# Altium PCB PCB3.PcbDoc (part 2 of 8)
Units mil, origin at the board's own origin, x right, y up, seen from the top; angles counter-clockwise.
Board outline 4763.78 x 6574.87 mil, 6 copper layers (Top Layer, GND, ADDR, DATA, VCC, Bottom Layer), stack 77.691 mil thick; 402 components, 418 nets, 1809 pads, 1202 vias.
Unrouted connection lines stored in the file: 117.
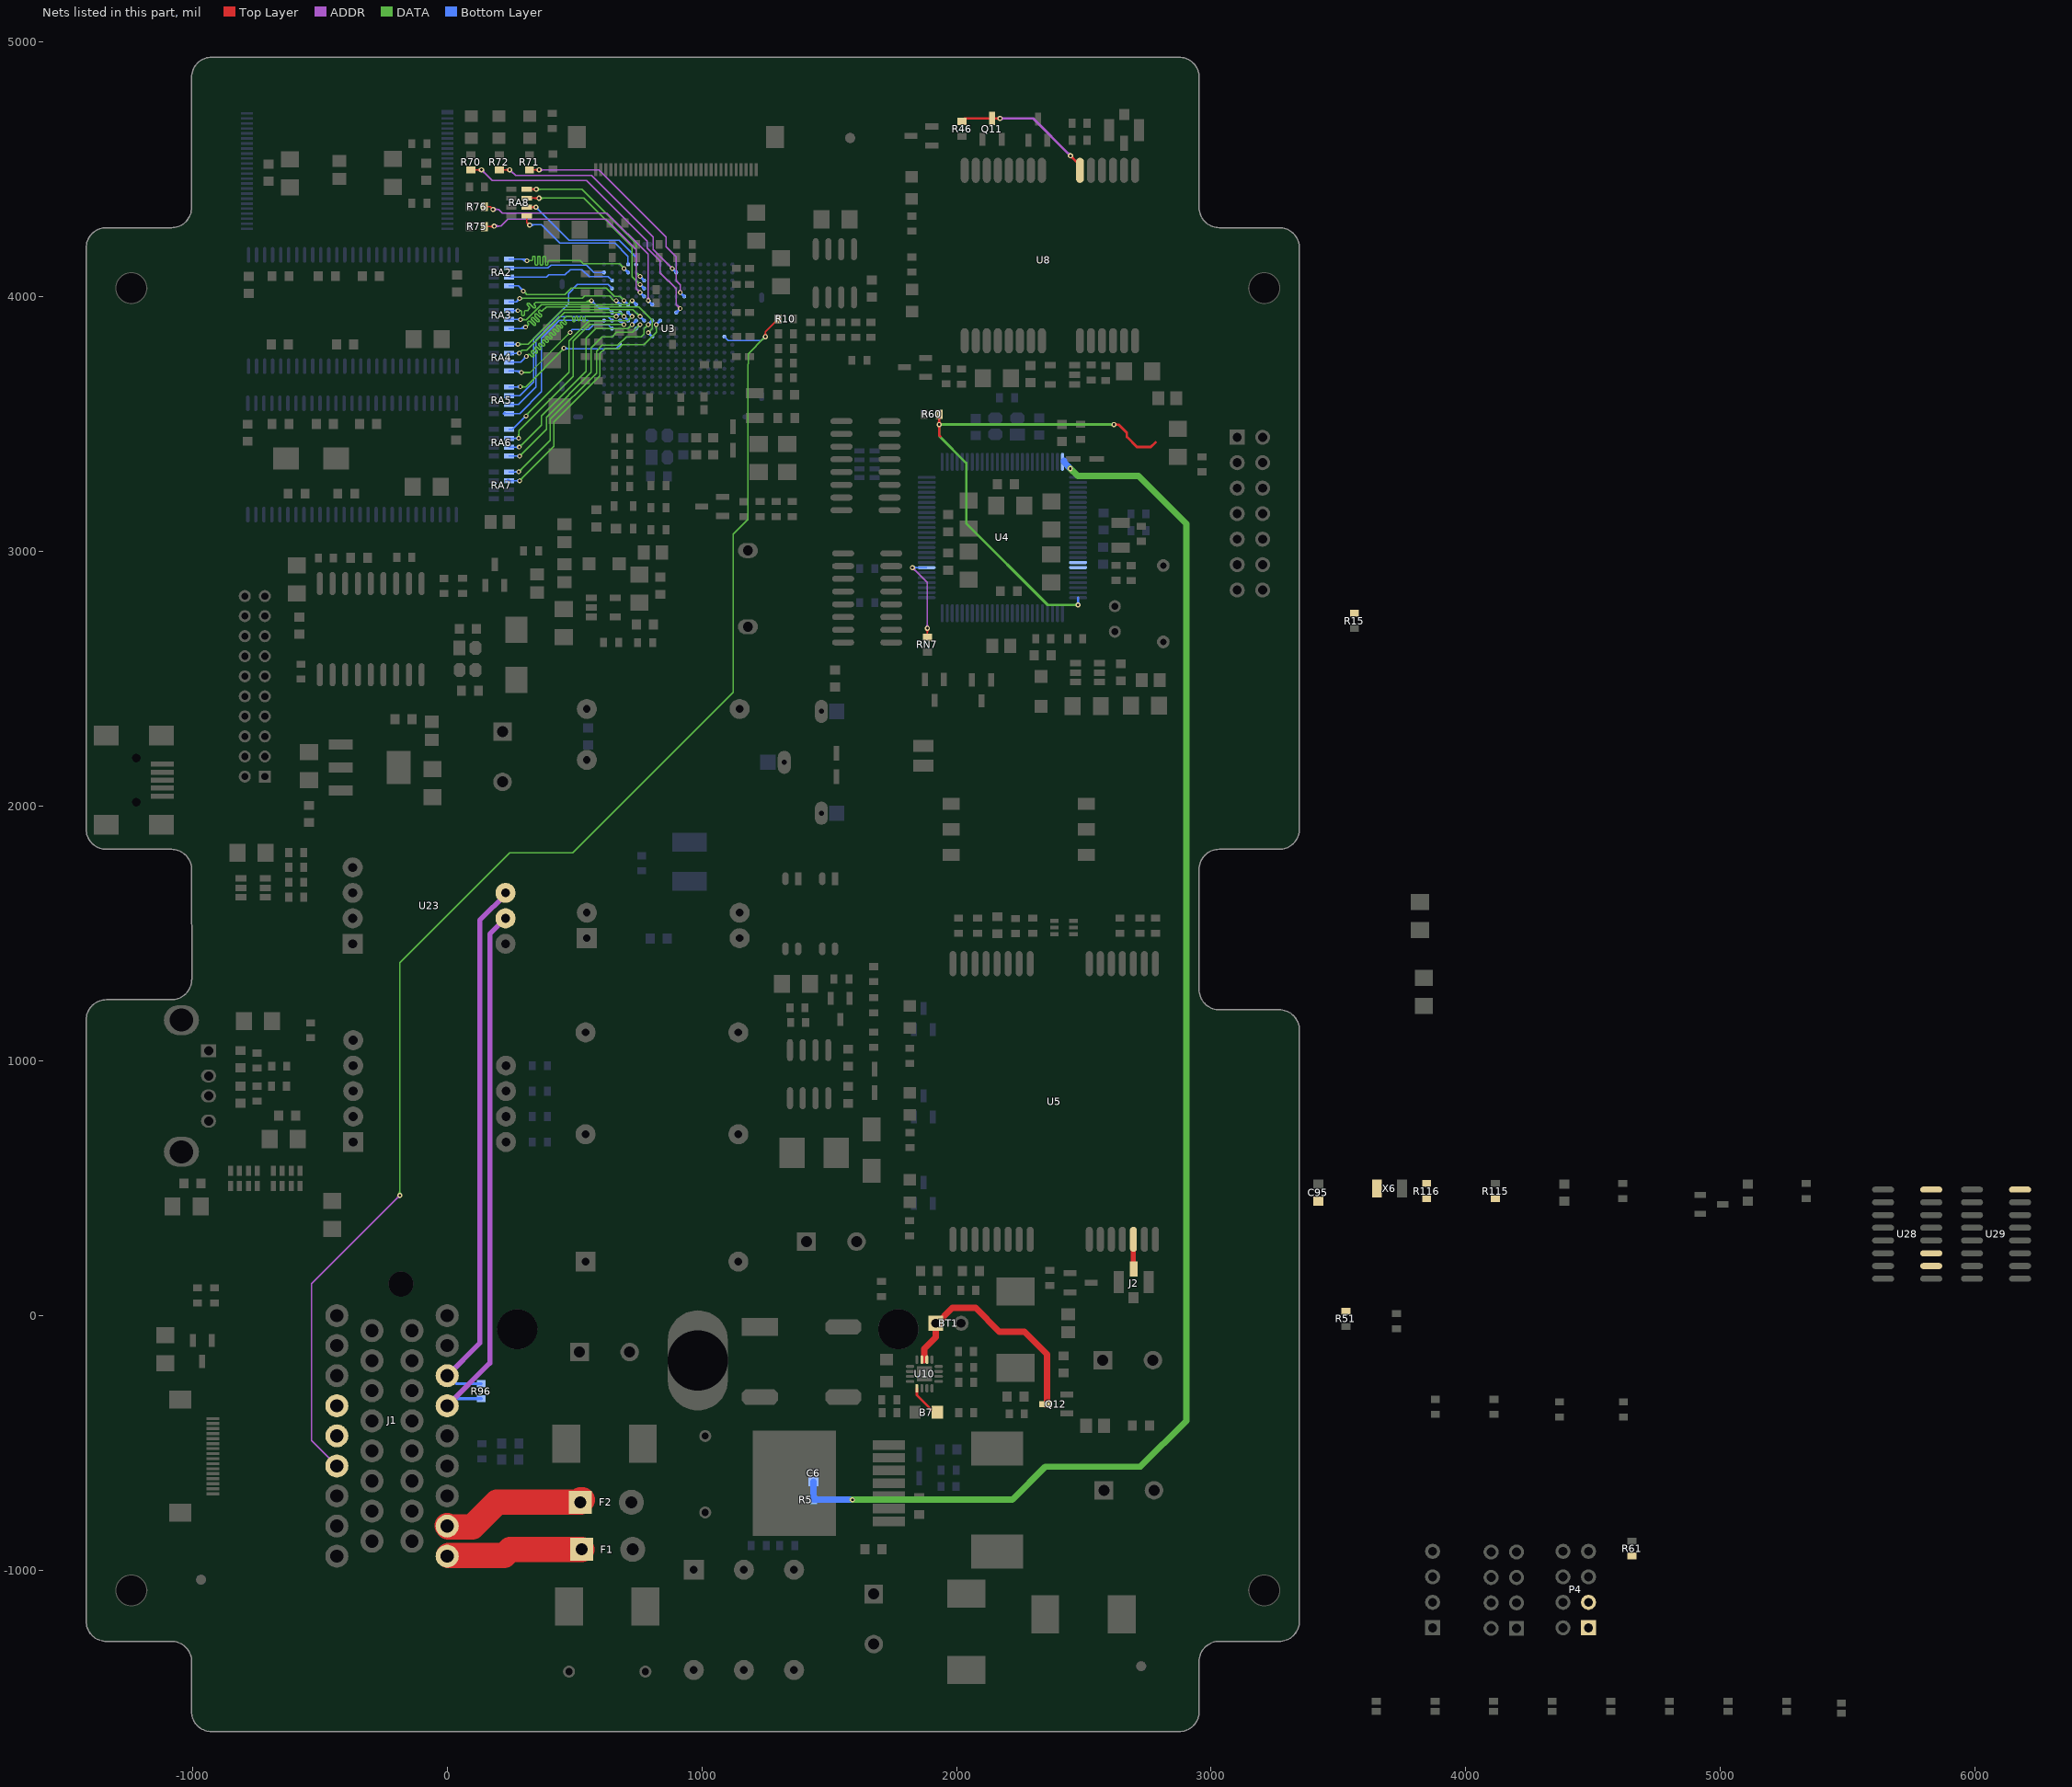
[diagram p6: the nets of this part, all layers, seen from the top]

## Footprints (in the part's own frame and the unit in brackets; to place one, negate y for a bottom-side part, rotate by r counter-clockwise, add the part's x,y. Pads: shape width x height; smd on the part's side, far side on the other; paste and mask are expansions set on the pad) (continued)
INDP5050X28N [mm]
  rect 2.5x3 smd: 1(-2.2,0) 2(2.2,0)
  silkscreen extent -2.6,-2.6 2.6,2.6, body extent -1.56,-1.53 1.51,1.54, height 2
INDP125125X85N [mm]
  rect 3.4x5.2 smd: 1(-5.15,0) 2(5.15,0)
  silkscreen extent -6.25,-6.25 6.25,6.25, body extent -6.11,-6.13 6.19,6.17, height 5.5
JST [mm]
  oct 1.524x3.6 smd: 1(3.5,-4.161) 2(-3.5,-4.161) 2(-3.5,4.161)
  rect 1.8x3.6 smd: 1(3.5,4.161)
  silkscreen extent -4.77,-6.43 5,6.89, body extent -4.84,-6.41 4.99,6.95, height 1.27
M72D [mm]
  oval 2.5x0.7 smd: 1(-13.75,10.1) 2(-13.75,9) 3(-13.75,7.9) 4(-13.75,6.8) 5(-13.75,5.7) 6(-13.75,4.6) 7(-13.75,3.5) 8(-13.75,-2.4) 9(-13.75,-3.5) 10(-13.75,-4.6) 11(-13.75,-5.7) 12(-13.75,-6.8) 13(-13.75,-7.9) 14(-13.75,-9) 15(-13.75,-10.1) 16(13.75,-10.1) 17(13.75,-9) 18(13.75,-7.9) 19(13.75,-6.8) 20(13.75,-5.7) 21(13.75,-4.6) 22(13.75,-3.5) 23(13.75,-2.4) 24(13.75,3.5) 25(13.75,4.6) 26(13.75,5.7) 27(13.75,6.8) 28(13.75,7.9) 29(13.75,9) 30(13.75,10.1)
  silkscreen extent -13.75,-12.15 13.75,12.15
MARK [mm]
  round 1 smd far side paste+0 mask+1: 1(0,0)
  round 1 smd paste+0 mask+1: 1(0,0)
  Keep-Out Layer circle w0.3: c0,0 r1.5
MHF[MCB3]-V4 [mm] "Connector; RF Coaxial, MCB SM; 4 Position; Vertical, Body 3.1x3.0mm (LxW)"
  rect 0.8x1.5 smd: 1(0,-1.3)
  rect 1x2.2 smd: 2(-1.5,0) 4(1.5,0)
  rect 1x1.1 smd: 3(0,1.55)
  silkscreen extent -1.03,-1.92 -0.78,-1.68, body extent -1.3,-1.3 1.3,1.3, height 1.3
MUP-C745 [mm]
  rect 1.2x1.7 smd: 1(0,0) 2(2.54,0) 3(5.08,0) 5(0,-13.5) 6(2.54,-13.5) 7(5.08,-13.5)
  oval 1.2x1.7 on Top Overlay: 3(-3.429,1.397)
  rect 1.2x2 smd: 4(8.88,2.75) 8(10.88,2.75)
  silkscreen extent -4.5,-22.75 12.32,3.3
R-AR4 [mil]
  rect 19.68x40 smd: 1(-52.5,-30) 2(-17.5,-30) 3(17.5,-30) 4(52.5,-30) 5(52.5,30) 6(17.5,30) 7(-17.5,30) 8(-52.5,30)
  silkscreen extent -73,-60 71,60, body extent -63,-33 63,30, height 22
RAD-0.3 [mm] "Radial Cap, Thru-Hole; 2 Leads; 0.3 in Pin Spacing"
  round 1.2 hole 0.7: 1(-3.81,0) 2(3.81,0)
  silkscreen extent -5.71,-1.91 5.71,1.91
SOD323 [mm] "SOD-323/SC-76; 2 Leads; Body 1.7 x 1.3 mm, (LxW)"
  rect 1.45x0.55 smd: 1(-1.175,0) 2(1.175,0)
  silkscreen extent -0.95,-0.75 0.95,0.75
SOIC8_N [mm] "SOIC, 8-Leads, Body 4.9x3.9mm, Pitch 1.27mm, IPC Medium Density"
  oval 2.2x0.6 smd: 1(-2.4,1.905) 2(-2.4,0.635) 3(-2.4,-0.635) 4(-2.4,-1.905) 5(2.4,-1.905) 6(2.4,-0.635) 7(2.4,0.635) 8(2.4,1.905)
  silkscreen extent -2.52,-2.5 0.9,2.88, body extent -3,-2.45 3,2.45, height 1.7
SOIC16_N [mm] "SOIC, 16-Leads, Body 9.9x3.9mm, Pitch 1.27mm, IPC Medium Density"
  oval 2.2x0.6 smd: 1(-2.4,4.445) 2(-2.4,3.175) 3(-2.4,1.905) 4(-2.4,0.635) 5(-2.4,-0.635) 6(-2.4,-1.905) 7(-2.4,-3.175) 8(-2.4,-4.445) 9(2.4,-4.445) 10(2.4,-3.175) 11(2.4,-1.905) 12(2.4,-0.635) 13(2.4,0.635) 14(2.4,1.905) 15(2.4,3.175) 16(2.4,4.445)
  silkscreen extent -2.52,-5 0.9,5.42, body extent -2,-5 2,5, height 1.75
SOIC18W_N [mm] "SOIC, 18-Leads, Body 12x7.62mm, Pitch 1.27mm, IPC Medium Density"
  oval 2.3x0.6 smd: 1(-4.55,5.08) 2(-4.55,3.81) 3(-4.55,2.54) 4(-4.55,1.27) 5(-4.55,0) 6(-4.55,-1.27) 7(-4.55,-2.54) 8(-4.55,-3.81) 9(-4.55,-5.08) 10(4.55,-5.08) 11(4.55,-3.81) 12(4.55,-2.54) 13(4.55,-1.27) 14(4.55,0) 15(4.55,1.27) 16(4.55,2.54) 17(4.55,3.81) 18(4.55,5.08)
  silkscreen extent -4.67,-5.9 3,6.05, body extent -3.8,-5.95 3.8,5.95, height 2.65
SOT23-5BN [mm] "SOT23, 5-Leads, Body 2.9x1.6mm, Pitch 0.95mm, Lead Span 2.8mm, IPC Medium Density"
  rect 1.1x0.65 smd: 1(-1.2,0.95) 2(-1.2,0) 3(-1.2,-0.95) 4(1.2,-0.95) 5(1.2,0.95)
  silkscreen extent -1.33,-1.55 0.25,1.95, body extent -0.9,-1.55 0.9,1.55, height 1.19
SOT23_N [mm] "SOT23, 3-Leads, Body 2.9x1.3mm, Pitch 0.95mm, Lead Span 2.3mm, IPC Medium Density"
  rect 1.3x0.6 smd: 1(-1.05,0.95) 2(-1.05,-0.95) 3(1.05,0)
  silkscreen extent -1.17,-1.5 0.7,1.92, body extent -0.7,-1.5 0.7,1.5, height 1.1
SOT26A-6N [mm] "SOT23, 6-Leads, Body 2.9x1.7mm, Pitch 0.95mm, Lead Span 2.8mm, IPC Medium Density"
  rect 1.1x0.65 smd: 1(-1.2,0.95) 2(-1.2,0) 3(-1.2,-0.95) 4(1.2,-0.95) 5(1.2,0) 6(1.2,0.95)
  silkscreen extent -1.32,-1.55 0.25,1.95, body extent -0.9,-1.55 0.9,1.55, height 1.45
SOT143_N [mm]
  rect 1x1.05 smd: 1(-1.125,0.75)
  rect 1x0.65 smd: 2(-1.125,-0.95) 3(1.125,-0.95) 4(1.125,0.95)
  silkscreen extent -1.47,-1.5 0.4,1.95, body extent -0.7,-1.52 0.7,1.52, height 1.2
SOT223-4N [mm] "SOT223, 4-Leads, Body 6.5x3.5mm, Pitch 2.3mm, Lead Span 7mm, IPC Medium Density"
  rect 2.4x1 smd: 1(-2.9,2.3) 2(-2.9,0) 3(-2.9,-2.3)
  rect 2.4x3.3 smd: 4(2.9,0)
  silkscreen extent -3.02,-3.35 1.4,3.47, body extent -1.85,-3.35 1.85,3.35, height 1.8
SOT363-6N [mm] "SOT363, 6-Leads, Body 2x1.3mm, Pitch 0.65mm, Lead Span 2.1mm, IPC Medium Density"
  rect 0.85x0.4 smd: 1(-0.95,0.65) 2(-0.95,0) 3(-0.95,-0.65) 4(0.95,-0.65) 5(0.95,0) 6(0.95,0.65)
  silkscreen extent -1.07,-1.1 0.15,1.52, body extent -0.7,-1.1 0.7,1.1, height 1
SOT-23_N [mm] "SOT23, 3-Leads, Body 2.9x1.3mm, Pitch 0.95mm, Lead Span 2.5mm, IPC Medium Density"
  rect 1.15x0.6 smd: 1(-1.125,0.95) 2(-1.125,-0.95) 3(1.125,0)
  silkscreen extent -1.25,-1.5 0.7,1.92, body extent -0.7,-1.5 0.7,1.5, height 1.1
SPEAKER [mm]
  oval 1.5x2 hole 1: 1(-3.8,0) 2(3.8,0)
  silkscreen extent -6,-6 6,6, body extent -5.97,-5.97 6.03,6.03, height 9.3
SSOP4_N [mm]
  rect 1.27x0.635 smd: 1(-3.5,0.635)
  oval 1.27x0.635 smd: 2(-3.5,-0.635) 3(3.5,-0.635) 4(3.5,0.635)
  silkscreen extent -2.08,-1.22 2.16,1.38, body extent -3.5,-1.29 3.5,1.41, height 1
SW-420 [mil]
  round 50 hole 25: 1(-150,0) 2(150,0)
  silkscreen extent -197,-79 197,79
TQFP100_N [mm] "100-Pin Plastic Thin Quad Flat Pack (TQFP100), IPC Medium Density"
  oval 1.8x0.3 smd: 1(-7.55,6) 2(-7.55,5.5) 3(-7.55,5) 4(-7.55,4.5) 5(-7.55,4) 6(-7.55,3.5) 7(-7.55,3) 8(-7.55,2.5) 9(-7.55,2) 10(-7.55,1.5) 11(-7.55,1) 12(-7.55,0.5) 13(-7.55,0) 14(-7.55,-0.5) 15(-7.55,-1) 16(-7.55,-1.5) 17(-7.55,-2) 18(-7.55,-2.5) 19(-7.55,-3) 20(-7.55,-3.5) 21(-7.55,-4) 22(-7.55,-4.5) 23(-7.55,-5) 24(-7.55,-5.5) 25(-7.55,-6) 51(7.55,-6) 52(7.55,-5.5) 53(7.55,-5) 54(7.55,-4.5) 55(7.55,-4) 56(7.55,-3.5) 57(7.55,-3) 58(7.55,-2.5) 59(7.55,-2) 60(7.55,-1.5) 61(7.55,-1) 62(7.55,-0.5) 63(7.55,0) 64(7.55,0.5) 65(7.55,1) 66(7.55,1.5) 67(7.55,2) 68(7.55,2.5) 69(7.55,3) 70(7.55,3.5) 71(7.55,4) 72(7.55,4.5) 73(7.55,5) 74(7.55,5.5) 75(7.55,6)
  oval 0.3x1.8 smd: 26(-6,-7.55) 27(-5.5,-7.55) 28(-5,-7.55) 29(-4.5,-7.55) 30(-4,-7.55) 31(-3.5,-7.55) 32(-3,-7.55) 33(-2.5,-7.55) 34(-2,-7.55) 35(-1.5,-7.55) 36(-1,-7.55) 37(-0.5,-7.55) 38(0,-7.55) 39(0.5,-7.55) 40(1,-7.55) 41(1.5,-7.55) 42(2,-7.55) 43(2.5,-7.55) 44(3,-7.55) 45(3.5,-7.55) 46(4,-7.55) 47(4.5,-7.55) 48(5,-7.55) 49(5.5,-7.55) 50(6,-7.55) 76(6,7.55) 77(5.5,7.55) 78(5,7.55) 79(4.5,7.55) 80(4,7.55) 81(3.5,7.55) 82(3,7.55) 83(2.5,7.55) 84(2,7.55) 85(1.5,7.55) 86(1,7.55) 87(0.5,7.55) 88(0,7.55) 89(-0.5,7.55) 90(-1,7.55) 91(-1.5,7.55) 92(-2,7.55) 93(-2.5,7.55) 94(-3,7.55) 95(-3.5,7.55) 96(-4,7.55) 97(-4.5,7.55) 98(-5,7.55) 99(-5.5,7.55) 100(-6,7.55)
  silkscreen extent -7.68,-6.25 6.25,6.82, body extent -7,-7 7,7, height 1.2
TS7B_N [mm] "D2-PAK, 8-Leads, Body 8.6x10.2mm, Pitch 1.27mm, Lead Span 14.1mm, IPC Medium Density"
  rect 3.2x0.95 smd: 1(-6,3.81) 2(-6,2.54) 3(-6,1.27) 4(-6,0) 5(-6,-1.27) 6(-6,-2.54) 7(-6,-3.81)
  rect 8.3x10.5 smd: 8(3.45,0)
  silkscreen extent -6.13,-5.2 -1.1,5.2, body extent -3.35,-5.2 6.05,5.2, height 4.64
TSOP48 [mm]
  rect 1.2x0.45 smd: 1(-10,5.85)
  rect 1.2x0.25 smd: 2(-10,5.25) 3(-10,4.75) 4(-10,4.25) 5(-10,3.75) 6(-10,3.25) 7(-10,2.75) 8(-10,2.25) 9(-10,1.75) 10(-10,1.25) 11(-10,0.75) 12(-10,0.25) 13(-10,-0.25) 14(-10,-0.75) 15(-10,-1.25) 16(-10,-1.75) 17(-10,-2.25) 18(-10,-2.75) 19(-10,-3.25) 20(-10,-3.75) 21(-10,-4.25) 22(-10,-4.75) 23(-10,-5.25) 24(-10,-5.75) 25(10,-5.75) 26(10,-5.25) 27(10,-4.75) 28(10,-4.25) 29(10,-3.75) 30(10,-3.25) 31(10,-2.75) 32(10,-2.25) 33(10,-1.75) 34(10,-1.25) 35(10,-0.75) 36(10,-0.25) 37(10,0.25) 38(10,0.75) 39(10,1.25) 40(10,1.75) 41(10,2.25) 42(10,2.75) 43(10,3.25) 44(10,3.75) 45(10,4.25) 46(10,4.75) 47(10,5.25) 48(10,5.75)
  silkscreen extent -9.2,-6.25 9.2,6.25, body extent -10.08,-6.01 10.02,6.09, height 1.2
TSOP80P1180X120-54N [mm]
  oval 1.55x0.34 smd: 1(-5.55,10.4) 2(-5.55,9.6) 3(-5.55,8.8) 4(-5.55,8) 5(-5.55,7.2) 6(-5.55,6.4) 7(-5.55,5.6) 8(-5.55,4.8) 9(-5.55,4) 10(-5.55,3.2) 11(-5.55,2.4) 12(-5.55,1.6) 13(-5.55,0.8) 14(-5.55,0) 15(-5.55,-0.8) 16(-5.55,-1.6) 17(-5.55,-2.4) 18(-5.55,-3.2) 19(-5.55,-4) 20(-5.55,-4.8) 21(-5.55,-5.6) 22(-5.55,-6.4) 23(-5.55,-7.2) 24(-5.55,-8) 25(-5.55,-8.8) 26(-5.55,-9.6) 27(-5.55,-10.4) 28(5.55,-10.4) 29(5.55,-9.6) 30(5.55,-8.8) 31(5.55,-8) 32(5.55,-7.2) 33(5.55,-6.4) 34(5.55,-5.6) 35(5.55,-4.8) 36(5.55,-4) 37(5.55,-3.2) 38(5.55,-2.4) 39(5.55,-1.6) 40(5.55,-0.8) 41(5.55,0) 42(5.55,0.8) 43(5.55,1.6) 44(5.55,2.4) 45(5.55,3.2) 46(5.55,4) 47(5.55,4.8) 48(5.55,5.6) 49(5.55,6.4) 50(5.55,7.2) 51(5.55,8) 52(5.55,8.8) 53(5.55,9.6) 54(5.55,10.4)
  silkscreen extent -5.67,-11.1 4.37,11.24, body extent -5.86,-11.11 5.9,11.11, height 1.25
USB2.5-2H4C [mm] "Connector; USB1.1, Type A, Thru-Hole; 4 Position; Right Angle"
  oval 3x3.5 hole 2.3 mask+0.07: 0(-6.57,-2.71) 0(6.57,-2.71)
  rect 1.3x1.5 hole 0.92 mask+0.07: 1(-3.5,0)
  oval 1.3x1.5 hole 0.92 mask+0.07: 2(-1,0) 3(1,0) 4(3.5,0)
  silkscreen extent -7.5,-13 7.5,1.64, body extent -8.12,-13 8.12,1, height 7.65
USB/SM0.8-6H5 [mm] "Connector; USB2.0, Type B, SM; 5 Position; Right Angle"
  rect 2.3x0.5 smd: 1(-7.85,-1.6) 2(-7.85,-0.8) 3(-7.85,0) 4(-7.85,0.8) 5(-7.85,1.6)
  rect 2.5x2 smd: MH1(-7.75,4.45) MH2(-2.25,4.45) MH3(-7.75,-4.45) MH4(-2.25,-4.45)
  round 0.6 hole 0.9 unplated: ""(-5.25,-2.2) ""(-5.25,2.2)
  silkscreen extent -9.68,-4.95 0.7,4.95, body extent -8.9,-4.95 0.7,4.95, height 3.9

## Part data
B1 B2 B3 B4 B5 B6 B7 B8 B9 B10: library part LED2, "Typical RED, GREEN, YELLOW, AMBER GaAs LED"
B11: "插针 电池座"
BT1: "插针 Multicell Battery"
C1 C2 C3 C4 C5 C6 C7 C8 C41 C42 C43 C44 C45 C46 C47 C48 C51 C52 C53 C54 C56 C57 C58 C59 C60 C61 C62 C65 C66 C67 C68 C69 C70 C71 C72 C73 C74 C75 C76 C77 C78 C79 C80 C81 C82 C83 C84 C85 C88 C91 C93: library part CAP, "多层陶瓷电容器MLCC - SMD/SMT 0603 0.1uF 50volts X7R 10%"
C9 C10 C11 C12 C13 C14 C15 C16 C17 C18 C20 C21 C22 C23 C24 C25 C26 C32 C33 C34 C35 C36 C37 C38 C39 C40: library part CAP, "多层陶瓷电容器MLCC - SMD/SMT 0402 0.1uF 50volts X7R 10%"
C19 C27 C30 C31 C49 C50 C55 C86 C87 C94 C95: library part CAP, "多层陶瓷电容器MLCC - SMD/SMT 0603 15pF 50volts C0G 5%"
C28 C92: library part CAP, "多层陶瓷电容器MLCC - SMD/SMT 0603 2200pF 50volts X7R 10%"
C29 C63 C64 C89 C90: library part CAP, "多层陶瓷电容器MLCC - SMD/SMT 0603 50volts 680pF X7R 10%"
CM1: library part Cap, "多层陶瓷电容器MLCC - SMD/SMT 1000pF 3000volts 20%"
CP1 CP2 CP3 CP4 CP5 CP6 CP7 CP8 CP9 CP10 CP11 CP12 CP13 CP14 CP15 CP16 CP17 CP18 CP19 CP20 CP21 CP22 CP23 CP24 CP25 CP26 CP27 CP28 CP29 CP30: library part CAPACITOR, "钽质电容器-固体SMD 16volts 10uF 10%"
CT1 CT2 CT3: library part CAPACITOR, "钽质电容器-固体SMD 16V 100uF 10%"
CV1 CV4 CV6: library part ELECTRO1, "插针 铝质电解电容器 - 带引线 270UF 50V ELECT FM RADIAL"
CV2 CV3: library part ELECTRO1, "插针 铝质电解电容器 - 带引线 470UF 35V ELECT FM RADIAL"
CV5: library part ELECTRO1, "插针 铝质电解电容器 - 带引线 1200uF 10V"
D1 D3 D5 D8: library part "D Schottky", "肖特基二极管与整流器 3.0 Amp 60 Volt"
D2: library part "D Zener", "稳压二极管 DIODE ZENER 2 PCT"
D4: library part 30BQ040, "TVS 二极管 - 瞬态电压抑制器 1500W 48V Unidirect"
D6 D7 D9 D11: library part 1N4148W, "二极管 - 通用，功率，开关 100V Io/150mA"
D10: library part 10BQ060, "肖特基二极管与整流器 40 Volt 1.0 Amp 40 Amp IFSM"
F1 F2: library part "Fuse 2", "插针 可复位保险丝 60V POLYFUSE .100A RADIAL LEADS"
J1: library part 6-174683-5, "插针 汽车连接器 SUPER SEAL 34POS CAP ASY V AU"
J2 J4: library part COAX-F, "插针 RF 连接器 ONBRD IPEX MHF RECEPTACLE"
J3: library part SIMCARD, "CON"
J5: library part "HEADER 10X2", "插针 CON"
J6: library part 16PIN, "TE CONNECTIVITY / AMP - 1-1734592-6 - FFC/FPC CONNECTOR, RECEPTACLE 16POS 1ROW"
J7: library part "HEADER 33", "CON"
J8: library part CON2, "CON"
L1: library part Inductor, "固定电感器 SMT-INDUCTOR 12X12 68UH 2.35A"
L2 L3: library part Inductor, "固定电感器 10uH 430mA"
L4: library part Inductor, "固定电感器 SMD Power Inductor"
LR1 LR2 LR3 LR4 LR5 LR6 LR7 LR8 LR9 LR10 LR11 LR12: library part "Res Semi", "电磁干扰滤波珠子、扼流圈和阵列 Ferrite Chip Beads"
M1 M2 M3: library part D-001-0001, "Mounting Hole, M3 Screw, Plated, Square Pad"
P1: library part "Header 7X2", "TE CONNECTIVITY 2.54mm / AMP - 0-281272-1 - HEADER STRAIGHT 14WAY"
P2 P4: "插针 Header, 4-Pin, Dual row"
P3: "插针 Header, 4-Pin"
Q1 Q2 Q12 Q15: library part IRLML5103, "MOSFET P-CH -30V -4.3A SOT23"
Q3 Q4 Q5 Q6 Q7 Q8 Q9: library part PDTC143ET, "开关晶体管 - 偏压电阻器 TRANS RET TAPE-11"
Q10 Q11: library part MMBT3096, "两极晶体管 - BJT 200mA 40V PNP"
Q13 Q14: library part 2N7002, "MOSFET 20V 2.9A 0.86W 57mohm @ 4.5V"
Q16: "NPN General Purpose Amplifier"
R1 R4 R5 R53 R65 R86 R89 R90 R99 R103 R107 R111: library part RES, "厚膜电阻器 - SMD 1/10watt 1.0Kohms 1%"
R2 R9 R10 R11 R15 R20 R21 R22 R23 R30 R31 R32 R39 R40 R45 R48 R49 R50 R55 R70 R71 R72 R73 R74 R78 R79 R81 R82 R83 R84 R88 R93 R94 R95 R97 R98 RN2 RN3 RN4 RN5: library part RES, "厚膜电阻器 - SMD 1/10watt 10Kohms 1%"
R3 R8 R16 R18 R19 R51 R54 R116: library part RES, "厚膜电阻器 - SMD 1/10watt 1.0Mohms 1%"
R6 R7 R17 R26 R33 R34 R38 R46 R52 R57 R59 R104 R108 R113 R114 R115: library part RES, "厚膜电阻器 - SMD 1/10watt 100Kohms 1%"
R12 R13 R14 R27 R28 R29 R41 R42 R43 R60 R61 RD1 RD2 RD3 RD4 RD5 RD6 RD7 RD8 RD9 RN1 RN9 RN10: library part RES, "厚膜电阻器 - SMD 1/10watt ZEROohm Jumper"
R24 R25 R35 R36 R37 R44 R63 R64 R67 R68 R75 R76 R77 R80 R87 R91 R92 R100 R102 RN6 RN7 RN8 RN11: library part RES, "厚膜电阻器 - SMD 1/10watt 22ohms 1%"
R47: library part RES, "薄膜电阻器 - SMD 160Kohms .1% 25ppm"
R56: library part RES, "厚膜电阻器 - SMD 1/10watt 680ohms 1%"
R58: library part RES, "薄膜电阻器 - SMD 453Kohms .1% 25ppm"
R62: library part RES, "厚膜电阻器 - SMD 1/10watt 300Kohms 1%"
R66 R69: library part RES, "厚膜电阻器 - SMD 1/10watt 15Kohms 1%"
R85 R96 R101: library part RES, "厚膜电阻器 - SMD 1/10watt 120ohms 1%"
R105 R106 R109: library part RES, "厚膜电阻器 - SMD 1/10watt 2ohms 1%"
R110: library part RES, "厚膜电阻器 - SMD 1/10watt 51Kohms 1%"
R112: library part RES, "厚膜电阻器 - SMD 1/10watt 4.7Kohms 1%"
RA1 RA2 RA3 RA4 RA5 RA6 RA7 RA8: library part RP4R, "电阻器网络与阵列 8Term 22ohms 5% Convex"
RA9 RA10: library part RP4R, "电阻器网络与阵列 8Term 10Kohms 5% Convex"
RF1 RF2 RF3 RF4 RF5 RF6: library part FUSE1, "可复位保险丝 PTC 30V POLY SURF MOUNT 1812 .500A"
S1: library part "Header 2", "插针 工业级震动传感器"
S2: library part "Header 2", "插针 光敏传感器"
U1: "SIMPLE SWITCHER?High Efficiency 3A Step-Down Voltage Regulator, 7-pin TO-263, Pb-Free"
U2: library part PWF_D-6W, "插针 PWF_D-6W 4:1 3000V 78%"
U3: "IC"
U4: library part MSP430F5438, "IC MCU 16BIT 256K FLASH 100-LQFP"
U5: "GSM模块"
U6: "TVS二极管阵列 5 Line TVS Array"
U7: library part LT1761, "低压差稳压器 - LDO 150Ma Low Noise CMOS LDO"
U8: "GPS模块"
U9: library part LM3670MF-3.3/NOPB, "DC/DC 开关控制器 Mini SD DC-DC Cnvtr"
U10: library part BQ24073, "电池管理 1.5A USB-Friendly Li Ion Batt Charger"
U11: library part LTC3405A, "IC REG BUCK SYNC ADJ TSOT23-6"
U12: library part ADuM5402, "隔离器接口集成电路 Quad-CH w/ Intg DC/DC Converter"
U13: library part ADuM5201, "隔离器接口集成电路 Dual-CH w/ Intg DC/DC Converter"
U14: library part LM1117MPX-3.3/NOPB, "800mA Low-Dropout Linear Regulator, 4-pin SOT-223, Pb-Free"
U15: "TVS二极管阵列 ESD Protection Low Cap"
U16 U17: library part K4S561632C, "IC"
U18: library part K9F2808, "IC"
U19: library part SPEAKER, "插针 BUZZER MAGNET 2048HZ 12MM PC MNT"
U20: library part MAX811-EUS-T, "监控电路 4-Pin uPower Voltage Monitor"
U21: library part AT24C02BN-SP25-T, "电可擦除可编程只读存储器 64K 2-WIRE 1.7V"
U22: "网络控制器与处理器 IC W/ SPI Inter 125dC"
U23: library part CTM1050, "插针 集成电路"
U24: "插针 集成电路"
U25 U27: library part Optoisolator1, "晶体管输出光电耦合器 80Vceo 2500Vrms standard"
U26: library part MC33063AD, "直流/直流开关转换器 1.5 A DCDC SW REG"
U28 U29: library part CD4060BCM, "14-Stage Ripple Carry Binary Counter"
US1: library part D-300-0034, "USB On-The-Go (OTG) Mini-B Receptacle, Right Angle, SMT, 0.80mm (.031\") Pitch, Solder Tabs with Back Cover, Recessed Type"
US2: library part USBPORT, "IC"
VR1 VR2: library part "Res Varistor", "插针 压敏电阻 500A 39volts 10%"
X1 X3 X6: library part XTAL, "晶体 32.768KHz 20ppm 12.5pF -40C -85C"
X2 X4 X5: library part XTAL, "CRYSTAL 16MHZ 18PF SMD"
Z1 Z2: library part CXDB, "插针 Filter"

## Free pads (board coordinates)
  round 125.98 hole 118.11 unplated: 0(-1240.16,-1079.13) 0(-1240.16,4034.25) 0(3208.66,-1079.13) 0(3208.66,4034.25)
  round 157.48 hole 157.48 unplated: 0(275.59,-53.54) 0(1771.65,-53.54)
  oval 19.68x39.37 smd far side: 1(451.09,3648.64) 1(451.09,4049.91) 1(1235.08,3609.99) 1(1235.08,3997)
  oval 39.37x19.68 smd far side: 1(514.13,3528.98) 1(786,4206.28) 1(1179,3528.98)
  oval 236.22x393.7 hole 236.22 slot 393.7 at 90 deg unplated: 1(984.25,-176.18)

## Via types
v1: diameter 18, hole 10, Top Layer to Bottom Layer, tented both sides, 404 vias
v2: diameter 20, hole 10, Top Layer to Bottom Layer, tented both sides, 379 vias
v3: diameter 25, hole 15, Top Layer to Bottom Layer, tented both sides, 363 vias
v4: diameter 23.62, hole 11.81, Top Layer to Bottom Layer, tented both sides, 51 vias
v5: diameter 50, hole 28, Top Layer to Bottom Layer, tented both sides, 4 vias
v6: diameter 30, hole 15, Top Layer to Bottom Layer, tented both sides, 1 vias
